# KiCad board Duet3_MB.kicad_pcb (continued)
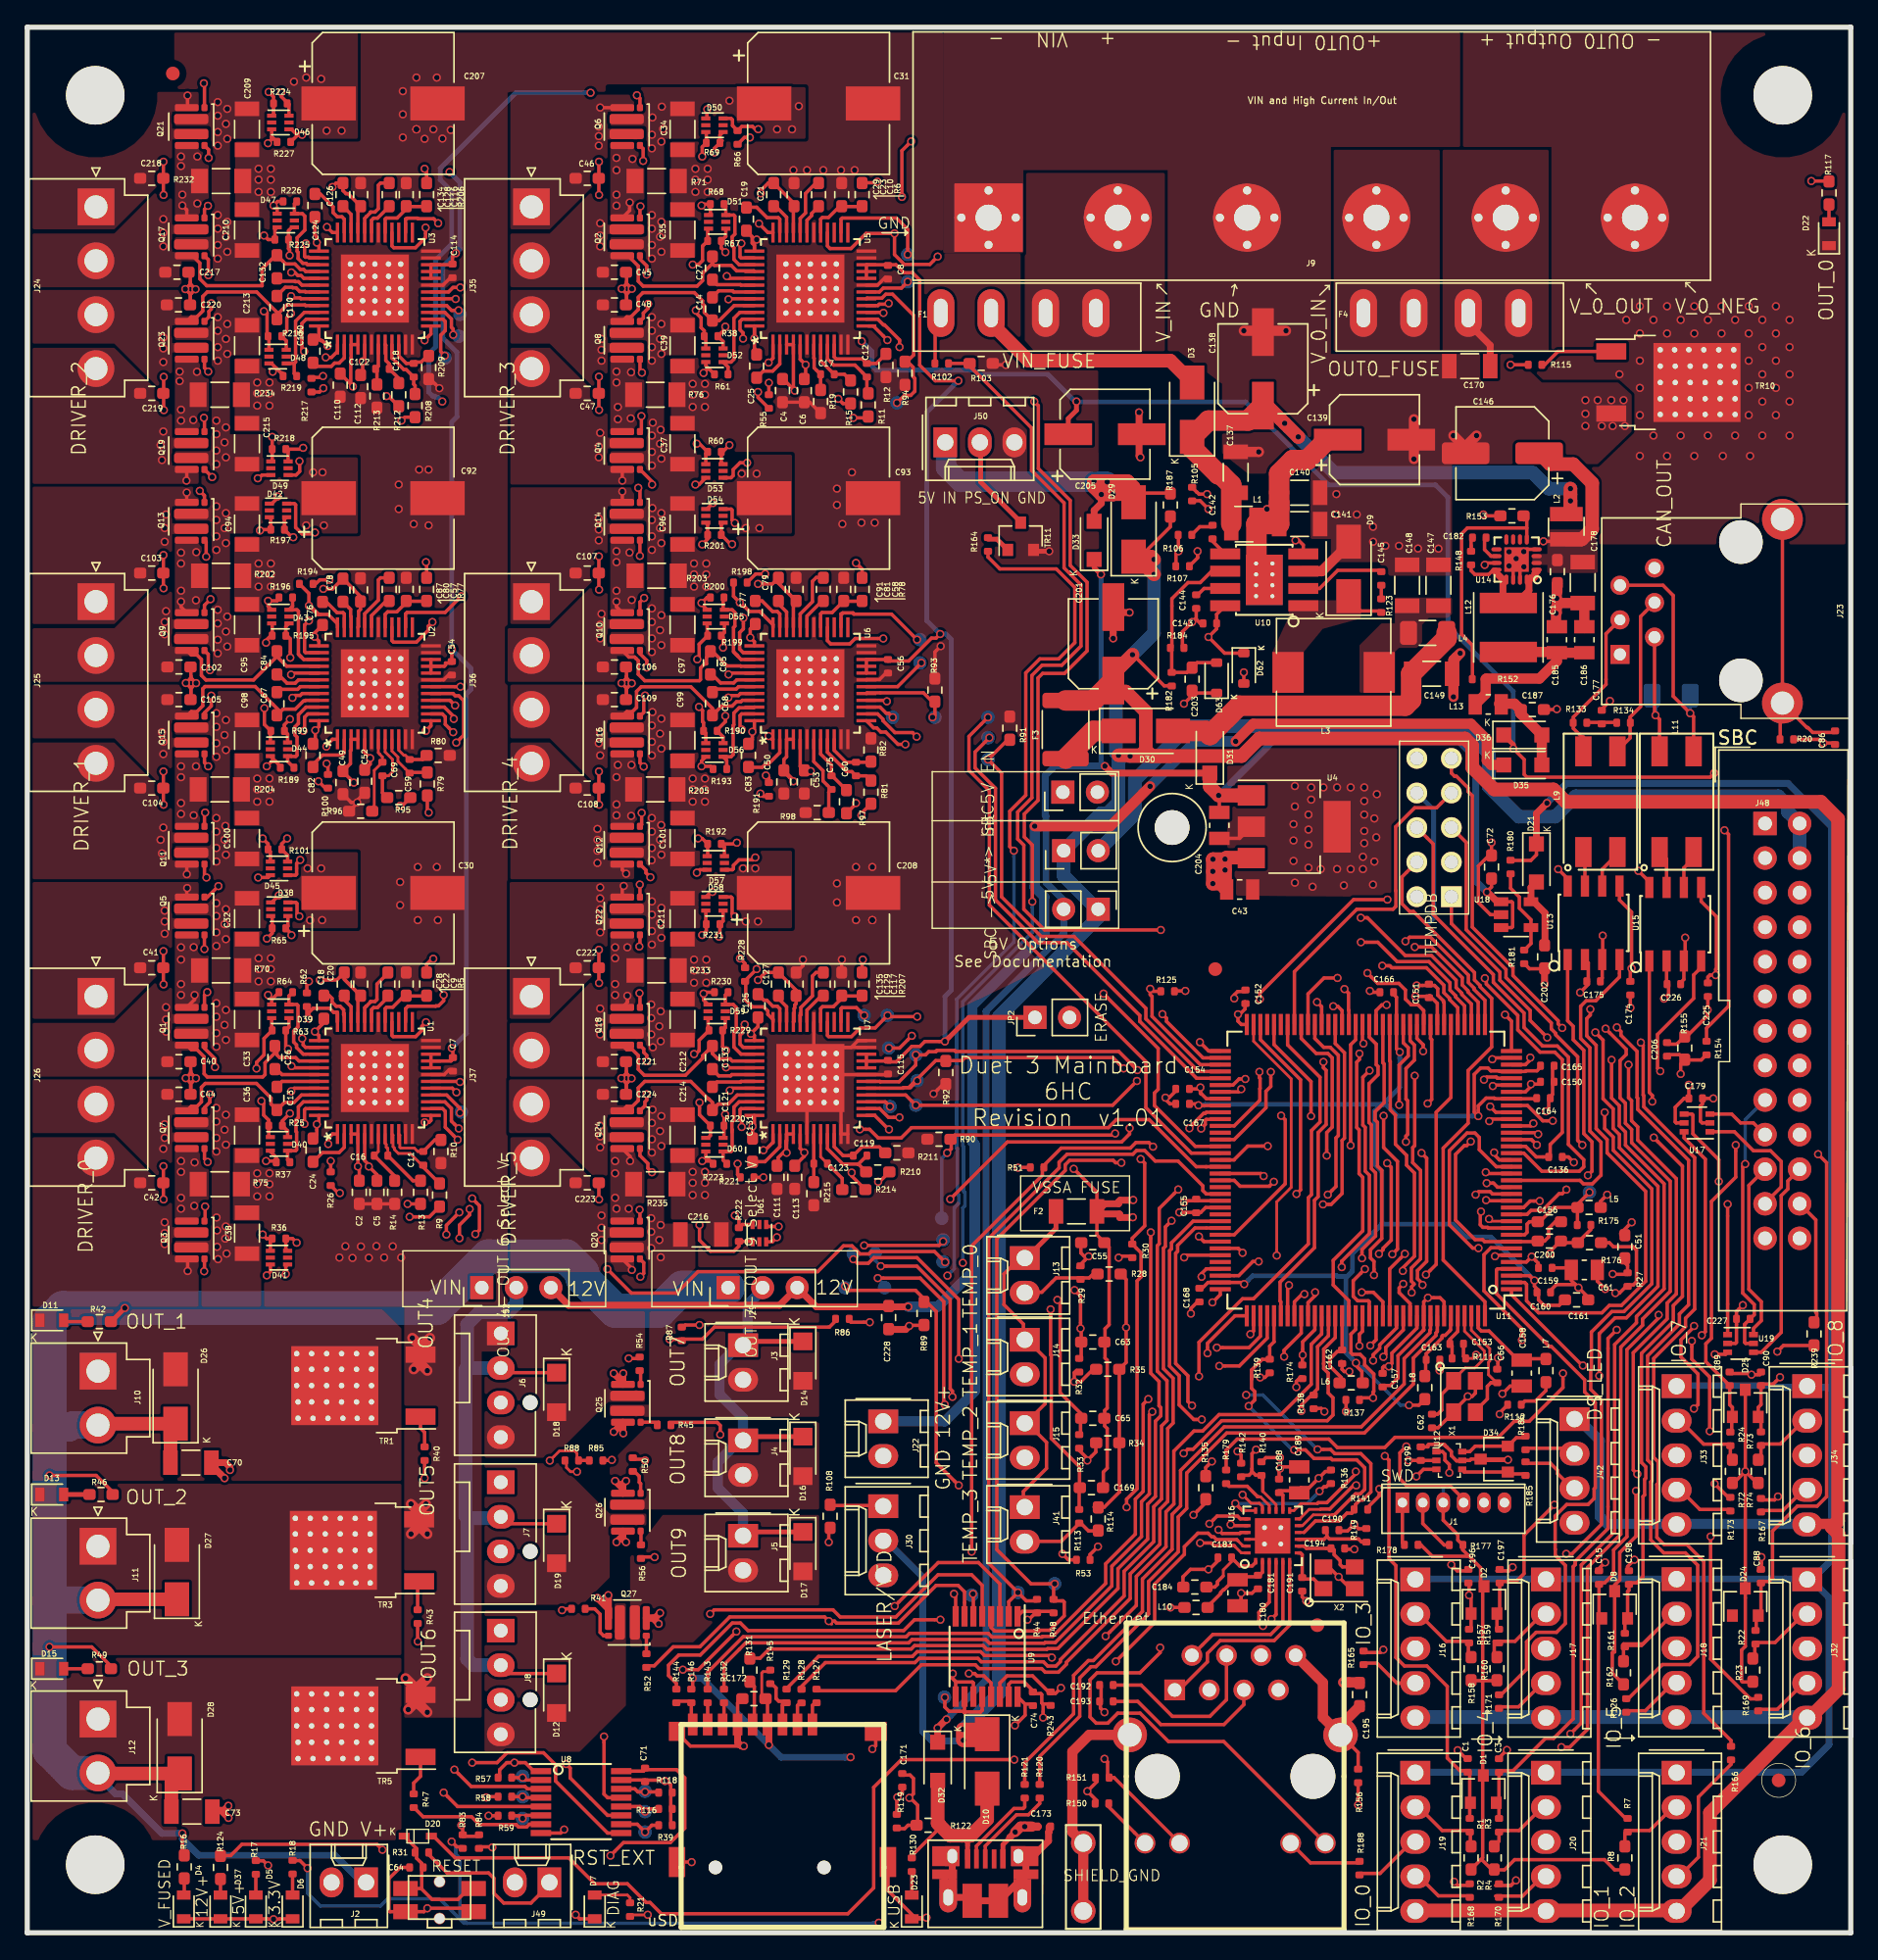
[diagram p0: board, top side]
## Routing (per net, layer and track width the routed paths; a pad name or vN(x,y) marks a point on that pad's centre or on a via; arc(x,y) is an arc through that point) (continued)
/Stepper Driver & Endstops/D1_VCC: length 4.4
  Top w0.25: 29.35,97.82 27.94,97.82 27.16,97.05 26.49,97.05 26.3,96.86 U2.29
/Stepper Driver & Endstops/D1_VCP: length 2.1
  Top w0.25: U2.34 23.8,96.7 23.76,96.74 23.76,97.23 C78.1
/Stepper Driver & Endstops/D2_5VOUT: length 19.7
  Top w0.25: U3.5 24.8,115.6 v1(24.65,115.45) 24.65,114.6 C112.2 ; v1(29.2,129.6) 29.35,129.45 29.35,128.57
  In1.Cu w0.25: v1(24.65,115.45) 25.07,115.45 28.2,118.57 28.2,128.6 v1(29.2,129.6)
/Stepper Driver & Endstops/D2_CA1: length 3.2
  Top w0.25: U3.42 20.19,121.05 19.94,121.31 19.7,121.31 19.66,121.34 18.44,121.34 18.35,121.43
/Stepper Driver & Endstops/D2_CA2: length 4.2
  Top w0.25: U3.35 23.3,125.9 23.12,126.07 22.78,126.07 22.47,126.38 22.47,126.8 21.53,127.75 C124.2
/Stepper Driver & Endstops/D2_CB1: length 3.8
  Top w0.25: 20.8,115.35 21.07,115.08 22.34,115.08 22.58,115.33 22.92,115.33 23.3,115.7 U3.2
/Stepper Driver & Endstops/D2_CB2: length 3.5
  Top w0.25: 18.35,120.28 18.96,120.89 19.48,120.89 19.51,120.86 19.75,120.86 20.02,120.58 20.42,120.58 20.45,120.55 U3.43
/Stepper Driver & Endstops/D2_CPI: length 2.6
  Top w0.25: U3.31 25.3,125.82 25.45,125.97 25.74,125.97 26.6,126.83 C128.2
/Stepper Driver & Endstops/D2_CPO: length 4.9
  Top w0.25: U3.32 24.8,125.96 24.91,126.06 24.91,126.07 24.92,126.07 25.23,126.38 25.23,126.41 25.23,126.42 25.55,126.42 25.8,126.67 25.8,128.39 25.96,128.55 C128.1
/Stepper Driver & Endstops/D2_HA1: length 5.9
  Top w0.25: U3.41 20.33,121.55 20.12,121.76 19.88,121.76 19.66,121.98 v1(19.4,121.98) ; v1(19.28,123.23) 19.28,123.66 19.2,123.74 R225.1 19.2,125.05 19.45,125.3 D47.4
  In1.Cu w0.25: v1(19.28,123.23) 19.4,123.11 v1(19.4,121.98)
/Stepper Driver & Endstops/D2_HA2: length 14.2
  Top w0.25: D46.6 19.23,134.34 18.68,134.9 v1(18.68,135.22) ; v1(22.02,125.32) 22.43,124.91 U3.36
  In1.Cu w0.25: v1(18.68,135.22) 21.28,132.62 21.28,132.2 21.77,131.7 21.77,125.99 22.02,125.74 v1(22.02,125.32)
/Stepper Driver & Endstops/D2_HAG1: length 10
  Top w0.25: Q17.4 13.31,122.92 v1(13.31,121.78) ; D47.3 18.2,125.14 R225.2 17.7,124.4 v1(17.4,124.7)
  In1.Cu w0.25: v1(13.31,121.78) 16.58,121.78 17.4,122.6 v1(17.4,124.7)
/Stepper Driver & Endstops/D2_HAG2: length 8.8
  Top w0.25: v1(12.98,135.88) 13.02,135.83 Q21.1 ; v1(17.74,135.24) 18.1,134.88 R224.2 18.1,133.63 D46.1
  In1.Cu w0.25: v1(12.98,135.88) 17.1,135.88 v1(17.74,135.24)
/Stepper Driver & Endstops/D2_HB1: length 12.8
  Top w0.25: D49.4 19.76,107.1 20.02,107.37 20.02,108.03 20.01,108.04 v1(20.01,108.11) ; v1(21.93,115.75) 22.36,115.75 22.8,116.19 U3.1 ; R217.1 20.96,114.27 21.64,114.27 v1(21.73,114.37)
  In1.Cu w0.25: v1(21.93,115.75) 21.93,115.32 21.73,115.12 v1(21.73,114.37) 21.13,113.77 21.13,109 20.55,108.41 20.31,108.41 v1(20.01,108.11)
/Stepper Driver & Endstops/D2_HB2: length 6.5
  Top w0.25: D48.6 19.03,116.97 R216.1 19.08,117.68 19.08,118.67 v1(19.38,118.97) ; v1(19.39,120.24) 19.52,120.11 20.05,120.11 20.11,120.05 U3.44
  In1.Cu w0.25: v1(19.39,120.24) 19.38,120.23 v1(19.38,118.97)
/Stepper Driver & Endstops/D2_HBG1: length 16.4
  Top w0.25: Q19.4 13.58,106.95 v1(13.59,106.95) ; R217.2 21.48,113.2 v1(21.76,113.48) ; D49.3 17.25,107.1 17.01,106.86 v1(16.94,106.86)
  In1.Cu w0.25: v1(21.76,113.48) 21.76,108.99 20.16,107.39 17.47,107.39 v1(16.94,106.86) 16.85,106.95 v1(13.59,106.95)
/Stepper Driver & Endstops/D2_HBG2: length 9.4
  Top w0.25: v1(13.53,119.72) 13.53,119.3 13.35,119.12 13.35,118.72 Q23.1 ; v1(17.39,119.13) 17.51,119.02 17.62,119.02 17.62,117.38 R216.2 17.77,117.24 D48.1
  In1.Cu w0.25: v1(17.39,119.13) 17.39,119.56 17.35,119.6 17.35,119.95 17.28,120.02 13.83,120.02 v1(13.53,119.72)
/Stepper Driver & Endstops/D2_LA1: length 6.9
  Top w0.25: R226.1 19.63,127.03 D47.6 20.22,126.3 20.4,126.12 20.4,125.1 19.83,124.53 19.83,123.54 19.91,123.47 19.91,123.01 20.26,122.66 20.5,122.66 20.6,122.55 U3.39
/Stepper Driver & Endstops/D2_LA2: length 12.4
  Top w0.25: D46.4 19.42,132.5 19.82,132.1 v1(20.2,132.1) 19.89,132.1 R227.1 ; U3.38 20.74,123.05 20.68,123.11 20.44,123.11 20.38,123.17 20.38,124.02 v1(20.48,124.12)
  In1.Cu w0.25: v1(20.2,132.1) 20.18,132.08 20.18,124.42 v1(20.48,124.12)
/Stepper Driver & Endstops/D2_LAG1: length 7.4
  Top w0.25: Q17.1 13.02,126.62 v1(13.28,126.88) ; D47.1 18.37,126.7 18.16,126.9 v1(18.1,126.9) 18.4,127.2 R226.2
  In1.Cu w0.25: v1(18.1,126.9) 18.08,126.88 v1(13.28,126.88)
/Stepper Driver & Endstops/D2_LAG2: length 7.5
  Top w0.25: v1(13.33,130.4) 13.33,131 Q21.4 ; 17.97,131.94 17.99,131.94 R227.2 ; 17.97,131.94 17.97,131.75 v1(17.69,131.48) ; 17.97,131.94 D46.3
  In1.Cu w0.25: v1(17.69,131.48) 16.61,130.4 v1(13.33,130.4)
/Stepper Driver & Endstops/D2_LB1: length 13.2
  Top w0.25: D49.6 19.17,108.83 R218.1 20.18,109 v1(20.28,109.1) ; 20.19,117.91 20.19,118.24 20.5,118.55 U3.47 ; 20.19,117.91 20.19,117.6 ; 20.19,117.91 20.19,116.34 v1(20.35,116.18)
  In1.Cu w0.25: v1(20.35,116.18) 20.35,109.17 v1(20.28,109.1)
/Stepper Driver & Endstops/D2_LB2: length 6.7
  Top w0.25: R219.1 19.62,114.55 19.62,115.3 ; 19.62,115.3 D48.4 ; 19.62,115.3 19.72,115.4 19.72,118.41 20.36,119.05 U3.46
/Stepper Driver & Endstops/D2_LBG1: length 8.8
  Top w0.25: v1(18,109.9) R218.2 18,108.2 D49.1 ; v1(12.98,111.3) 13.02,111.26 Q19.1
  In1.Cu w0.25: v1(18,109.9) 16.2,109.9 14.37,111.72 13.4,111.72 v1(12.98,111.3)
/Stepper Driver & Endstops/D2_LBG2: length 7.7
  Top w0.25: Q23.4 13.02,114.97 v1(13.3,114.7) ; 18.34,114.91 17.95,115.3 D48.3 ; 18.34,114.91 18.27,114.91 v1(18.04,114.69) ; 18.34,114.91 18.65,114.6 18.74,114.6 18.74,114.43 R219.2
  In1.Cu w0.25: v1(18.04,114.69) 18.03,114.7 v1(13.3,114.7)
/Stepper Driver & Endstops/D2_SRAH: length 3.2
  Top w0.25: U3.8 26.35,116.64 26.35,115.52 26.6,115.27 C122.2 27.3,114.2 R212.1
/Stepper Driver & Endstops/D2_SRAL: length 3.1
  Top w0.25: U3.7 25.8,115.1 C122.1 25.7,114.8 R213.1
/Stepper Driver & Endstops/D2_SRAT: length 28.8
  Top w0.25: v1(11.4,126.9) 11.73,126.58 Q17.2 ; v1(26.4,112.9) 26.55,112.9 R212.2
  In1.Cu w0.25: v1(11.4,126.9) 11.4,122.71 13.43,120.68 18.9,120.68 19.11,120.89 20.56,120.89 23.65,117.8 23.65,114.23 23.31,113.89 23.31,113.27 23.67,112.9 v1(26.4,112.9)
  vias: v1(11.3,130.5) v1(11.3,129.8) v1(11.4,127.7) v1(12.5,130.5) v1(12.5,127.05)
/Stepper Driver & Endstops/D2_SRBH: length 4.5
  Top w0.25: U3.9 26.8,115.7 26.83,115.68 26.85,115.68 26.85,115.67 27.67,114.85 27.85,114.85 C118.2 28.4,113.78 28.5,113.68 R208.1
/Stepper Driver & Endstops/D2_SRBL: length 3.4
  Top w0.25: U3.10 27.3,115.86 27.86,115.3 C118.1 28.5,115.4 28.95,115.4 29.4,115.85
/Stepper Driver & Endstops/D2_SRBT: length 26.6
  Top w0.25: R208.2 27.75,111.35 v1(27.5,111.1)
  In1.Cu w0.25: v1(27.5,111.1) 27.2,111.4 24.54,111.4 22.86,113.08 22.86,114.39 23.2,114.73 23.2,116.39 22.37,117.23 20.47,117.23 19.02,115.78 19.02,112.49 18.1,111.57 16.6,111.57 16.37,111.81 14.93,111.81 14.56,112.18 12.8,112.18 12.2,111.57 v1(12.2,111.15)
  vias: v1(11.2,114.7) v1(11.2,114) v1(11.3,111.9) v1(11.3,111.1) v1(12.47,114.68)
/Stepper Driver & Endstops/D2_VCC: length 4.5
  Top w0.25: 29.35,126.83 27.85,126.83 27.85,126.65 27.18,125.98 26.38,125.98 26.3,125.9 U3.29
/Stepper Driver & Endstops/D2_VCP: length 2.2
  Top w0.25: U3.34 23.8,126.25 C126.1 23.17,126.83
/Stepper Driver & Endstops/D3_5VOUT: length 19.5
  Top w0.25: 61.35,128.57 62.4,128.57 v1(62.48,128.65) ; C6.2 57.2,114.25 v1(57.2,115.2) 56.8,115.6 U5.5
  In1.Cu w0.25: v1(57.2,115.2) 60.81,118.81 60.81,126.98 v1(62.48,128.65)
/Stepper Driver & Endstops/D3__SRBL: length 5.2
  Top w0.25: R12.1 62.4,115.3 C12.1 61.37,115.63 59.44,115.63 59.3,115.77 U5.10
/Stepper Driver & Endstops/D3_CA1: length 3.2
  Top w0.25: U5.42 52.45,121.05 52.42,121.09 50.69,121.09 50.35,121.43
/Stepper Driver & Endstops/D3_CA2: length 3.8
  Top w0.25: U5.35 55.3,125.9 55.19,126.01 54.36,126.01 53.6,126.78 52.85,126.78
/Stepper Driver & Endstops/D3_CB1: length 3.5
  Top w0.25: C25.2 54.09,114.74 54.78,114.74 55.3,115.26 U5.2
/Stepper Driver & Endstops/D3_CB2: length 3.3
  Top w0.25: U5.43 51.92,120.55 51.83,120.64 50.81,120.64 50.35,120.18
/Stepper Driver & Endstops/D3_CPI: length 2.3
  Top w0.25: U5.31 57.3,125.82 57.64,126.16 57.64,126.32 58.15,126.83
/Stepper Driver & Endstops/D3_CPO: length 4.3
  Top w0.25: 58.15,128.57 57.98,128.57 57.19,127.78 57.19,126.35 56.8,125.96 U5.32
/Stepper Driver & Endstops/D3_HA1: length 5.9
  Top w0.25: U5.41 51.57,121.55 v1(51.41,121.71) ; v1(51.3,123.47) 51,123.78 R67.1 51.33,124.64 D51.4
  In1.Cu w0.25: v1(51.3,123.47) 51.3,121.82 v1(51.41,121.71)
/Stepper Driver & Endstops/D3_HA2: length 12.4
  Top w0.25: v1(53.72,132.51) 53.71,132.51 53.6,132.4 53.29,132.71 52.51,132.71 R66.1 51.82,132.78 51.82,133.2 51.72,133.3 D50.6 ; U5.36 54.43,124.91 v1(53.77,125.57)
  In1.Cu w0.25: v1(53.77,125.57) 53.27,126.07 53.27,128.8 54.02,129.54 54.02,132.21 v1(53.72,132.51)
/Stepper Driver & Endstops/D3_HAG1: length 8.6
  Top w0.25: v1(45.53,121.83) 45.53,122.47 45.03,122.97 45.03,123.21 ; D51.3 50,125.14 R67.2 49.62,123.92 49.62,122.86 49.32,122.56 v1(48.9,122.56)
  In1.Cu w0.25: v1(48.9,122.56) 48.17,121.83 v1(45.53,121.83)
/Stepper Driver & Endstops/D3_HAG2: length 12.6
  Top w0.25: v1(44.8,135) 45.03,134.78 45.03,134.09 ; R66.2 52.7,131.9 v1(53.1,131.9) ; v1(49.97,133.97) 49.94,133.94 49.94,133.38
  In1.Cu w0.25: v1(44.8,135) 45.15,135.35 48.59,135.35 v1(49.97,133.97) 52.04,131.9 v1(53.1,131.9)
/Stepper Driver & Endstops/D3_HB1: length 12.8
  Top w0.25: v1(54.48,115.36) 54.8,115.68 U5.1 ; v1(54.5,113.87) 54.5,113 R55.1 ; v1(52.9,108) 52.37,108 51.87,107.5 51.87,107.05 51.72,106.9 D53.4
  In1.Cu w0.25: v1(52.9,108) 54.5,109.6 v1(54.5,113.87) 54.48,113.89 v1(54.48,115.36)
/Stepper Driver & Endstops/D3_HB2: length 6
  Top w0.25: v1(51.3,118) 51.3,117.85 R38.1 51.14,116.91 D52.6 ; U5.44 51.57,120.05 v1(51.53,120.01)
  In1.Cu w0.25: v1(51.3,118) 51.53,118.23 v1(51.53,120.01)
/Stepper Driver & Endstops/D3_HBG1: length 16.6
  Top w0.25: v1(45.91,106.4) 45.91,106.62 45.03,107.51 ; D53.3 49.37,106.4 v1(49.1,106.4) ; v1(53.7,113.2) 53.7,112.8 R55.2
  In1.Cu w0.25: v1(45.91,106.4) v1(49.1,106.4) 50.26,106.4 53.7,109.84 v1(53.7,113.2)
/Stepper Driver & Endstops/D3_HBG2: length 8.3
  Top w0.25: v1(49.13,119.19) 49.13,119.03 49.52,118.64 49.52,117.93 49.75,117.7 R38.2 49.86,117.19 D52.1 ; 45.03,118.39 45.27,118.64 45.27,119 45.63,119.35 v1(45.63,119.68)
  In1.Cu w0.25: v1(49.13,119.19) 48.65,119.68 v1(45.63,119.68)
/Stepper Driver & Endstops/D3_LA1: length 6.5
  Top w0.25: U5.39 52.32,122.55 51.93,122.94 51.93,123.8 51.8,123.93 51.8,124.6 52,124.8 52,126.12 51.92,126.2 D51.6 51.33,126.86 R68.1
/Stepper Driver & Endstops/D3_LA2: length 11.6
  Top w0.25: R69.1 50.9,132.06 D50.4 ; R69.1 50.5,131.1 v1(50.5,130.8) ; R69.1 51.07,131.67 ; v1(52.47,124.12) 52.38,124.02 52.38,123.13 52.45,123.05 U5.38
  In1.Cu w0.25: v1(50.5,130.8) 52.08,129.22 52.08,124.51 v1(52.47,124.12)
/Stepper Driver & Endstops/D3_LAG1: length 6.9
  Top w0.25: 45.03,125.99 45.03,126.81 v1(45.06,126.84) ; v1(49.55,126.9) 49.65,127 R68.2 50.2,126.33 D51.1
  In1.Cu w0.25: v1(49.55,126.9) 49.49,126.84 v1(45.06,126.84)
/Stepper Driver & Endstops/D3_LAG2: length 7.6
  Top w0.25: v1(45.26,130.18) 45.26,131.07 45.03,131.31 ; D50.3 49.9,132.26 R69.2 49.6,131.2 v1(49.6,130.5)
  In1.Cu w0.25: v1(49.6,130.5) 48.9,130.5 48.58,130.18 v1(45.26,130.18)
/Stepper Driver & Endstops/D3_LB1: length 12.5
  Top w0.25: v1(52.6,117.12) 52.6,117.55 52.38,117.77 52.38,118.39 52.54,118.55 U5.47 ; v1(51.6,109.3) 51.1,108.8 R60.1 51,108.03 D53.6
  In1.Cu w0.25: v1(52.6,117.12) 52.6,116.7 52.5,116.6 52.5,110.2 v1(51.6,109.3)
/Stepper Driver & Endstops/D3_LB2: length 6.6
  Top w0.25: U5.46 52.36,119.05 51.93,118.62 51.93,115.61 51.72,115.4 D52.4 51.5,115.03 R61.1
/Stepper Driver & Endstops/D3_LBG1: length 8.3
  Top w0.25: 45.03,110.29 45.13,110.4 v1(45.13,111.43) ; D53.1 49.86,108.66 R60.2 49.4,109.4 v1(49.2,109.4)
  In1.Cu w0.25: v1(45.13,111.43) 45.43,111.73 46.12,111.73 47.45,110.4 48.2,110.4 v1(49.2,109.4)
/Stepper Driver & Endstops/D3_LBG2: length 7.3
  Top w0.25: 45.03,115.61 45.03,114.76 v1(45.17,114.62) ; 50.1,114.9 50,114.9 v1(49.7,114.6) ; 50.1,114.9 R61.2 ; 50.1,114.9 49.86,115.13 D52.3
  In1.Cu w0.25: v1(49.7,114.6) 49.68,114.62 v1(45.17,114.62)
/Stepper Driver & Endstops/D3_SRAH: length 4
  Top w0.25: R15.1 60.05,114.5 C17.2 58.3,115.5 U5.8
/Stepper Driver & Endstops/D3_SRAL: length 3.5
  Top w0.25: R19.1 C17.1 57.83,114.97 57.83,115.68 57.8,115.7 U5.7
/Stepper Driver & Endstops/D3_SRAT: length 29.1
  Top w0.25: v1(44.27,127.12) 44.27,126.53 Q2.2 ; v1(59.6,112.7) 59.95,112.35 R15.2
  In1.Cu w0.25: v1(59.6,112.7) 56.73,112.7 56.7,112.67 56.1,112.67 55.71,113.07 55.71,116.95 51.85,120.81 51.11,120.81 50.99,120.93 45.19,120.93 44.27,121.85 v1(44.27,127.12)
  vias: v1(43.3,130.4) v1(43.3,129.5) v1(43.3,127.7) v1(43.3,126.89) v1(44.47,130.32)
/Stepper Driver & Endstops/D3_SRBH: length 5.7
  Top w0.25: R11.1 61.7,113.2 C12.2 60.82,115.18 59.26,115.18 58.8,115.64 U5.9
/Stepper Driver & Endstops/D3_SRBT: length 28.5
  Top w0.25: R11.2 61.7,111.3 v1(60.7,111.3)
  In1.Cu w0.25: v1(44.35,111.26) 44.35,111.69 44.92,112.26 46.23,112.26 46.75,111.75 48.33,111.75 48.6,111.47 50.1,111.47 50.9,112.27 50.9,116.33 52.4,117.83 54.2,117.83 55.26,116.77 55.26,112.84 55.9,112.2 56.68,112.2 57.58,111.3 v1(60.7,111.3)
  vias: v1(43.3,114.7) v1(43.3,113.9) v1(43.4,112.1) v1(43.4,111.2) v1(44.37,114.65)
/Stepper Driver & Endstops/D3_VCC: length 4.4
  Top w0.25: U5.29 58.3,125.9 58.42,126.02 58.88,126.02 59.69,126.83 61.35,126.83
/Stepper Driver & Endstops/D3_VCP: length 2.4
  Top w0.25: 54.85,126.83 55.02,126.83 55.8,126.04 U5.34
/Stepper Driver & Endstops/D4_5VOUT: length 20.6
  Top w0.25: 61.35,99.57 61.35,100.19 v1(60.9,100.64) ; v1(57.58,85.35) 57.53,85.3 57.35,85.3 ; U6.5 56.8,85.7 C53.2
  In1.Cu w0.25: v1(60.9,100.64) 60.9,88.67 v1(57.58,85.35)
/Stepper Driver & Endstops/D4__HAG1: length 8.4
  Top w0.25: v1(49.24,93.56) 49.38,93.7 49.38,94.68 R199.2 49.97,95.34 D55.3 ; 45.03,94.21 45.03,93.97 45.53,93.47 v1(45.53,92.96)
  In1.Cu w0.25: v1(49.24,93.56) 48.63,92.96 v1(45.53,92.96)
/Stepper Driver & Endstops/D4_CA1: length 3.4
  Top w0.25: U6.42 52.14,92.05 51.91,91.83 50.95,91.83 50.35,92.43
/Stepper Driver & Endstops/D4_CA2: length 3.4
  Top w0.25: U6.35 55.3,96.9 55.12,97.07 54.78,97.07 54,97.85 C77.2 53.4,97.75 53.3,97.75
/Stepper Driver & Endstops/D4_CB1: length 3.7
  Top w0.25: 53,85.62 54.01,85.62 54.26,85.87 54.47,85.87 55.3,86.7 U6.2
/Stepper Driver & Endstops/D4_CB2: length 3.2
  Top w0.25: 50.35,91.18 50.55,91.38 52.1,91.38 52.27,91.55 U6.43
/Stepper Driver & Endstops/D4_CPI: length 2.5
  Top w0.25: U6.31 57.3,96.74 58.41,97.85 C81.2
/Stepper Driver & Endstops/D4_CPO: length 4.3
  Top w0.25: U6.32 56.8,96.9 57.7,97.8 57.7,99.29 57.98,99.57 58.15,99.57
/Stepper Driver & Endstops/D4_HA1: length 6
  Top w0.25: v1(51.13,94.42) 51.13,95.17 R199.1 51.23,95.53 D55.4 ; U6.41 51.64,92.55 v1(51.54,92.45)
  In1.Cu w0.25: v1(51.54,92.45) 51.54,94.02 v1(51.13,94.42)
/Stepper Driver & Endstops/D4_HA2: length 13.4
  Top w0.25: U6.36 54.8,96.1 53.83,97.07 53.07,97.07 52.71,97.43 52.66,97.43 v1(52.36,97.73) 51.9,98.2 R198.1 ; D54.6 51.72,104.6 51.8,104.52 51.8,103.78 v1(52,103.57)
  In1.Cu w0.25: v1(52,103.57) 52,103.07 53.3,101.77 53.3,99.63 52.36,98.69 v1(52.36,97.73)
/Stepper Driver & Endstops/D4_HAG2: length 17.8
  Top w0.25: v1(44.9,106.16) 45.03,106.03 45.03,105.09 ; v1(50.4,105.05) 49.97,104.61 49.97,104.6 ; R198.2 53.53,99.83 v1(54.23,99.83)
  In1.Cu w0.25: v1(54.23,99.83) 54.53,100.13 54.53,103.4 52.88,105.05 v1(50.4,105.05) 49.7,105.75 45.31,105.75 v1(44.9,106.16)
/Stepper Driver & Endstops/D4_HB1: length 13.6
  Top w0.25: R191.1 54.5,84.85 54.33,85.02 v1(54.28,85.02) ; U6.1 54.72,87.69 v1(54.48,87.92) ; D57.4 51.82,78.1 51.9,78.18 51.9,78.42 52.3,78.83 53.33,78.83 v1(53.5,79)
  In1.Cu w0.25: v1(54.48,87.92) 54.78,87.62 54.78,85.53 v1(54.28,85.02) 54.28,84.6 54.5,84.38 54.5,80 v1(53.5,79)
/Stepper Driver & Endstops/D4_HB2: length 5.9
  Top w0.25: U6.44 52.41,91.05 52.26,90.9 51.67,90.9 v1(51.52,90.75) ; v1(51.3,89.4) 51.3,88.98 50.7,88.38 R190.1 51.14,87.87 D56.6
  In1.Cu w0.25: v1(51.52,90.75) 51.52,89.62 v1(51.3,89.4)
/Stepper Driver & Endstops/D4_HBG1: length 15.8
  Top w0.25: v1(45.79,77.55) 45.47,77.88 45.47,78.07 45.03,78.51 ; D57.3 49.42,78.1 v1(49.21,77.88) ; v1(53.87,83.7) 54.07,83.5 R191.2
  In1.Cu w0.25: 49.25,77.55 49.25,77.84 v1(49.21,77.88) ; 49.25,77.55 v1(45.79,77.55) ; 49.25,77.55 50.91,77.55 52.29,78.92 52.5,78.92 53.87,80.3 v1(53.87,83.7)
/Stepper Driver & Endstops/D4_HBG2: length 8.8
  Top w0.25: 45.03,89.39 45.3,89.67 45.3,90.8 v1(45.4,90.9) ; D56.1 49.86,88.13 R190.2 49.7,88.91 49.62,88.98 49.62,89.8 v1(49.36,90.06)
  In1.Cu w0.25: v1(45.4,90.9) 48.52,90.9 v1(49.36,90.06)
/Stepper Driver & Endstops/D4_LA1: length 6.9
  Top w0.25: 52.2,93.8 52.45,93.55 U6.39 ; 52.2,93.8 51.93,94.08 ; 52.2,93.8 52.2,93.83 51.9,94.13 51.9,95.9 52,96 52,97 51.8,97.2 D55.6 ; 51.14,97.2 51.14,98.03 R200.1
/Stepper Driver & Endstops/D4_LA2: length 11.8
  Top w0.25: D54.4 51,103.47 R201.1 51.68,102.02 v1(51.8,102.02) ; U6.38 52.61,94.05 52.35,94.31 52.35,95.52 52.63,95.8 v1(52.63,96.6)
  In1.Cu w0.25: 51.62,99.71 51.8,99.88 v1(51.8,102.02) ; 51.62,99.71 51.63,99.7 ; 51.62,99.71 51.62,97.18 52.2,96.6 v1(52.63,96.6)
/Stepper Driver & Endstops/D4_LAG1: length 7.9
  Top w0.25: 45.03,96.99 45.03,97.76 v1(45.33,98.07) ; R200.2 49.95,98.1 v1(49.55,97.7) 49.55,97.61 D55.1
  In1.Cu w0.25: 48.6,97 48.88,97 ; 48.6,97 47.4,97 46.33,98.07 v1(45.33,98.07) ; 48.6,97 48.85,97 v1(49.55,97.7)
/Stepper Driver & Endstops/D4_LAG2: length 9.6
  Top w0.25: v1(45.02,101.16) 45.02,102.31 45.03,102.31 ; v1(49.6,102) 50,102.4 R201.2 50,103.47 D54.3
  In1.Cu w0.25: v1(45.02,101.16) 45.28,100.9 46.6,100.9 47.2,101.5 47.2,101.77 47.23,101.8 47.23,102.43 47.6,102.8 49.22,102.8 49.6,102.42 v1(49.6,102)
/Stepper Driver & Endstops/D4_LB1: length 12.8
  Top w0.25: v1(52.14,80.09) 52.05,80 R192.1 51.23,79.76 D57.6 ; v1(52.5,88.4) 52.38,88.52 52.38,89.43 52.5,89.55 U6.47
  In1.Cu w0.25: v1(52.14,80.09) 52.5,80.45 v1(52.5,88.4)
/Stepper Driver & Endstops/D4_LB2: length 6.6
  Top w0.25: U6.46 53.39,90 52.31,90 51.93,89.61 51.93,88.75 51.87,88.7 51.87,86.55 51.72,86.4 D56.4 51.4,86.13 R193.1
/Stepper Driver & Endstops/D4_LBG1: length 8
  Top w0.25: 45.03,81.29 45.15,81.41 v1(45.15,82.28) ; v1(49.3,80.4) 49.6,80.4 R192.2 50,79.13 D57.1
  In1.Cu w0.25: v1(45.15,82.28) 45.45,82.58 46.27,82.58 48.45,80.4 v1(49.3,80.4)
/Stepper Driver & Endstops/D4_LBG2: length 7.1
  Top w0.25: 45.03,86.61 45.03,85.96 v1(45.3,85.68) ; R193.2 50.2,85.7 v1(49.55,85.7) 49.55,86.09 D56.3
  In1.Cu w0.25: v1(45.3,85.68) 45.32,85.7 v1(49.55,85.7)
/Stepper Driver & Endstops/D4_SRAH: length 4.6
  Top w0.25: U6.8 58.3,86.6 59.1,85.8 C75.2 59.15,85 R97.1
/Stepper Driver & Endstops/D4_SRAL: length 6
  Top w0.25: U6.7 57.8,86.05 58.47,85.37 58.47,84.63 C75.1 58.9,83.8 R98.1
/Stepper Driver & Endstops/D4_SRAT: length 30.9
  Top w0.25: v1(60.9,83) 60.9,82.95 R97.2 ; Q10.2 43.3,97.42 v1(43.3,97.8)
  In1.Cu w0.25: v1(43.3,97.8) 43.3,93.92 45.53,91.69 52.25,91.69 56.31,87.63 56.31,85.74 55.68,85.1 55.68,84.31 56.99,83 v1(60.9,83)
  vias: v1(43.3,101.5) v1(43.3,100.7) v1(43.3,98.6) v1(44.26,101.41) v1(44.42,97.92)
/Stepper Driver & Endstops/D4_SRBH: length 5
  Top w0.25: R81.1 61.65,85 C60.2 60.59,85.31 60.23,85.31 58.8,86.74 U6.9
/Stepper Driver & Endstops/D4_SRBL: length 3.9
  Top w0.25: U6.10 59.3,86.87 60.17,86 C60.1 61.95,86 R82.1
/Stepper Driver & Endstops/D4_SRBT: length 30.7
  Top w0.25: v1(61.3,82.1) 61.3,82.25 R81.2
  In1.Cu w0.25: v1(44.38,82.06) 44.38,82.48 45.05,83.15 46.34,83.15 47.63,81.86 49.73,81.86 51.45,83.58 51.45,88.28 52.2,89.03 54.27,89.03 55.86,87.44 55.86,85.92 55.23,85.29 55.23,84.07 57.2,82.1 v1(61.3,82.1)
  vias: v1(43.3,84.9) v1(43.3,82.9) v1(43.3,82.1) v1(43.4,85.8) v1(44.4,85.8)
/Stepper Driver & Endstops/D4_VCC: length 4.4
  Top w0.25: 61.35,97.82 60.03,97.82 C58.2 59.15,97 58.4,97 58.3,96.9 U6.29
/Stepper Driver & Endstops/D4_VCP: length 2.2
  Top w0.25: C79.1 55.2,97.64 55.8,97.04 U6.34
/Stepper Driver & Endstops/D5_5VOUT: length 19.6
  Top w0.25: 61.35,70.57 61.35,71.45 v1(61.4,71.5) ; C113.2 57.1,57.05 v1(57.1,57.33) 56.8,57.63 U7.5
  In1.Cu w0.25: v1(57.1,57.33) 60.51,60.74 60.51,70.61 v1(61.4,71.5)
/Stepper Driver & Endstops/D5_CA1: length 3.3
  Top w0.25: 50.35,63.43 50.82,62.96 51.69,62.96 51.78,63.05 U7.42
/Stepper Driver & Endstops/D5_CA2: length 3
  Top w0.25: U7.35 55.3,67.9 55.12,68.07 54.78,68.07 54.34,68.52 54.13,68.52 C125.2
/Stepper Driver & Endstops/D5_CB1: length 3.4
  Top w0.25: U7.2 55.3,57.74 54.21,56.65 C131.2
/Stepper Driver & Endstops/D5_CB2: length 3.2
  Top w0.25: 50.35,62.18 50.68,62.51 52.41,62.51 52.45,62.55 U7.43
/Stepper Driver & Endstops/D5_CPI: length 2.5
  Top w0.25: U7.31 57.3,67.79 58.36,68.85 C129.2
/Stepper Driver & Endstops/D5_CPO: length 4.7
  Top w0.25: C129.1 57.96,70.55 57.7,70.29 57.7,68.83 56.85,67.98 56.85,67.45 56.8,67.4 U7.32
/Stepper Driver & Endstops/D5_HA1: length 5.9
  Top w0.25: U7.41 51.38,63.55 v1(51.35,63.58) ; D59.4 51.3,66.5 R229.1 51.1,65.08 v1(51.35,64.83)
  In1.Cu w0.25: v1(51.35,64.83) 51.35,64.83 v1(51.35,63.58)
/Stepper Driver & Endstops/D5_HA2: length 12.4
  Top w0.25: v1(53.6,70.8) 52.75,69.95 R228.1 ; 52.75,70.01 52.71,70.01 52.8,69.93 52.8,68.51 53.28,68.03 54.12,68.03 54.43,67.72 54.43,67.47 54.8,67.1 U7.36 ; D58.6 51.72,76.1 51.8,76.02 51.8,74.87 v1(51.99,74.68)
  In1.Cu w0.25: v1(51.99,74.68) 51.99,74.18 53.6,72.57 v1(53.6,70.8)
/Stepper Driver & Endstops/D5_HAG1: length 8.3
  Top w0.25: D59.3 50.03,66.37 R229.2 49.38,65.58 49.38,64.81 49.12,64.56 v1(49,64.56) ; 45.03,65.21 45.3,64.93 45.3,64.69 45.53,64.46 v1(45.53,64.04)
  In1.Cu w0.25: v1(45.53,64.04) 48.48,64.04 v1(49,64.56)
/Stepper Driver & Endstops/D5_HAG2: length 13.8
  Top w0.25: 45.03,76.09 45.03,77 v1(45.01,77.01) ; 52.75,70.79 52.75,71.21 v1(52.38,71.58) ; v1(50.35,76.47) 50.24,76.47 D58.1
  In1.Cu w0.25: v1(45.01,77.01) 45.44,77.01 45.53,76.91 48.76,76.91 48.89,76.79 50.04,76.79 v1(50.35,76.47) 50.35,75.19 52.38,73.16 v1(52.38,71.58)
/Stepper Driver & Endstops/D5_HB1: length 12.4
  Top w0.25: R221.1 52.2,55.7 v1(52.2,56.5) ; D61.4 54.45,51.89 v1(55.21,51.89) ; U7.1 54.8,58.07 54.23,57.5 v1(54.1,57.5)
  In1.Cu w0.25: 54.66,55.86 54.1,56.43 v1(54.1,57.5) ; 54.66,55.86 54.33,56.2 52.5,56.2 v1(52.2,56.5) ; 54.66,55.86 55.21,55.31 v1(55.21,51.89)
/Stepper Driver & Endstops/D5_HB2: length 5.6
  Top w0.25: v1(51.63,61.88) 51.79,62.05 U7.44 ; v1(51.29,60.12) 51.2,60.03 R220.1 51.2,58.47 D60.6
  In1.Cu w0.25: v1(51.63,61.88) 51.63,60.46 v1(51.29,60.12)
/Stepper Driver & Endstops/D5_HBG1: length 21.2
  Top w0.25: v1(45.05,48.2) 45.3,48.45 45.3,49.23 45.03,49.51 ; 54.3,50.76 54.75,50.76 v1(55.09,51.1) ; R221.2 v1(54.1,55.5)
  In1.Cu w0.25: 53.96,54.13 54.1,54.28 v1(54.1,55.5) ; 53.96,54.13 53.96,51.63 53.25,50.93 ; 53.96,54.13 53.96,52.23 ; 53.25,50.93 54.49,50.93 54.66,51.1 v1(55.09,51.1) ; 53.25,50.93 49.42,50.93 46.69,48.2 v1(45.05,48.2)
/Stepper Driver & Endstops/D5_HBG2: length 8.5
  Top w0.25: 50.03,58.4 50.2,58.57 R220.2 49.4,60.1 v1(49.4,61) ; v1(45.53,61.6) 45.53,61.18 45.39,61.04 45.39,60.75 45.03,60.39
  In1.Cu w0.25: v1(49.4,61) 48.8,61.6 v1(45.53,61.6)
/Stepper Driver & Endstops/D5_LA1: length 6.6
  Top w0.25: U7.39 52.45,64.55 51.93,65.08 51.93,66.13 52.1,66.3 52.1,67.99 51.89,68.2 D59.6 51.3,68.9 R230.1
/Stepper Driver & Endstops/D5_LA2: length 12
  Top w0.25: v1(50.84,73.18) 50.9,73.25 R231.1 51.14,74.34 D58.4 ; U7.38 52.62,65.05 52.38,65.29 52.38,65.94 52.55,66.11 52.55,66.56 v1(52.73,66.73)
  In1.Cu w0.25: v1(52.73,66.73) 50.84,68.62 v1(50.84,73.18)
/Stepper Driver & Endstops/D5_LAG1: length 7.6
  Top w0.25: 45.03,67.99 45.03,69 v1(44.99,69.03) ; D59.1 49.7,68.53 v1(49.7,69) 49.8,69.1 R230.2
  In1.Cu w0.25: v1(44.99,69.03) 49.67,69.03 v1(49.7,69)
/Stepper Driver & Endstops/D5_LAG2: length 8.2
  Top w0.25: 45.03,73.31 45.03,72.5 v1(44.98,72.46) ; D58.3 49.86,74.13 R231.2 49.9,73.6 v1(49.6,73.3)
  In1.Cu w0.25: v1(49.6,73.3) 48.21,71.91 45.53,71.91 v1(44.98,72.46)
/Stepper Driver & Endstops/D5_LB1: length 12
  Top w0.25: v1(52.5,59.2) 52.5,59.62 52.38,59.75 52.38,60.47 52.45,60.55 U7.47 ; v1(52,52.7) 52.3,52.4 R222.1 52.53,52.03 D61.6
  In1.Cu w0.25: v1(52,52.7) 51.12,53.58 51.12,57.82 v1(52.5,59.2)
/Stepper Driver & Endstops/D5_LB2: length 6.9
  Top w0.25: 51.42,56.38 51.45,56.41 ; 51.78,59.02 51.8,59 51.8,57.48 51.72,57.4 D60.4 51.14,56.76 R223.1 ; 51.78,59.02 51.78,59.56 51.93,59.7 51.93,60.67 52.31,61.05 U7.46 ; 51.78,59.02 51.78,58.82
/Stepper Driver & Endstops/D5_LBG1: length 12.1
  Top w0.25: 45.03,52.29 45.03,53.09 v1(45,53.12) ; 53.3,50.76 53.27,50.8 R222.2 52.3,50.45 51.92,50.07 50.21,50.07 49.4,50.88 v1(49.4,52)
  In1.Cu w0.25: v1(49.4,52) 49.4,52.42 48.4,53.42 45.3,53.42 v1(45,53.12)
/Stepper Driver & Endstops/D5_LBG2: length 8.1
  Top w0.25: D60.3 49.86,57.03 R223.2 50.2,56.7 v1(49.6,56.7) ; 45.03,57.61 45.03,57.1 45.61,56.52 45.61,56.18 v1(45.91,55.88)
  In1.Cu w0.25: v1(49.6,56.7) 48,56.7 47.18,55.88 v1(45.91,55.88)
